# Altium PCB 28Pins_Project_V1I1_PCB.PcbDoc (continued)
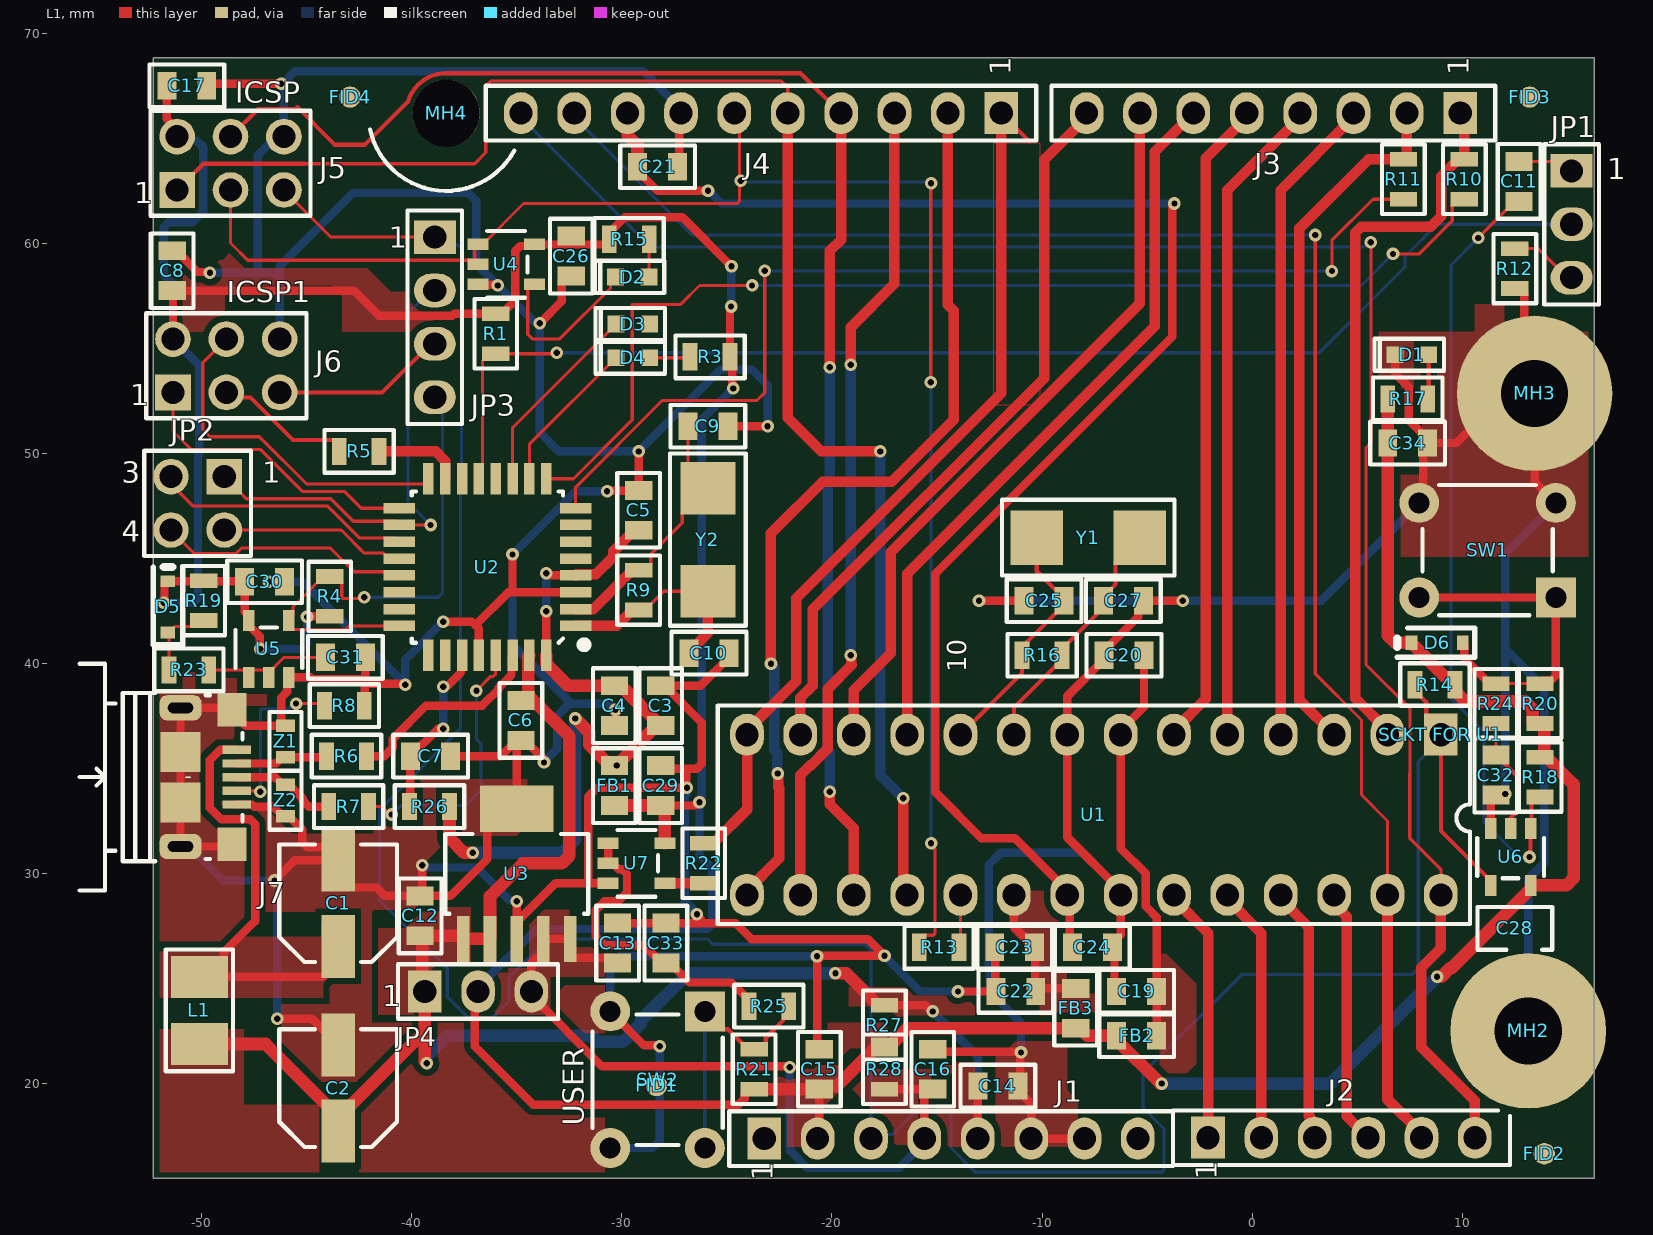
[diagram p0: L1 view]
## Nets (pads, with @x,y where several pads share a name; then routed paths per layer and width w, separated by ;. In a path a pad name is that pad's centre, name@x,y a point inside that pad or via, vN(x,y) a via of type N, cw(c..) or ccw(c..) an arc to the next point about the centre after c; other vN are vias at no path point)
16U2_16MHZ_XTAL1: C10.2 R9.1 U2.1 Y2.1 | length 10.4
  L1 w0.15: R9.1 -28.9,42.55 -28,43.45 Y2.1
  L1 w0.5: U2.1 -30.25,41.8 -29.5,42.55 R9.1 ; C10.2 -26.8,40.7 -26.6,40.9 -26.45,40.9 -25.9,41.45 Y2.1
16U2_16MHZ_XTAL2: C9.2 R9.2 U2.2 Y2.2 | length 12.6
  L1 w0.15: R9.2 -28.9,44.45 -28.625,44.725 -28.625,45.2 -27.125,46.7 -27.125,47.175 -25.95,48.35 Y2.2 -26.85,49.3 C9.2
  L1 w0.5: U2.2 -31.35,42.6 -29.5,44.45 R9.2
16U2_BUF_RESETN: C31.1 R23.2 U5.1 U5.2 | length 6.2
  L1 w0.15: R23.2 -47,39.7 U5.2@-46.8,39.5 ; U5.2 U5.2@-46.8,39.5 ; C31.1 -46.075,40.3 -46.8,39.575 U5.2@-46.8,39.5
16U2_HDR_RESETN: J6.5 JP3.3 | length 8.3
  L1 w0.2: J6.5 -41.412,52.908 -39.1,55.22 JP3.3
16U2_MISO: J6.1 U2.17 | length 14.1
  L1 w0.15: J6.1 -51.36,51.06 -50.5,50.2 -47.2,50.2 -45.2,48.2 -43.2,48.2 -42.4,47.4 U2.17
16U2_MOSI: J6.4 U2.16 | length 16.7
  L1 w0.15: J6.4 -49.945,54.323 -49.945,51.145 -49.6,50.8 -47.25,50.8 -45,48.55 -39.375,48.55 -39.2,48.725 U2.16
16U2_PB4: JP2.1 JP3.2 U2.18 | length 23.9
  L1 w0.15: JP2.1 JP2.1@-48.32,48.3 ; JP2.1@-48.17,48.15 -47.87,47.85 -43.85,47.85 -42.775,46.775 -40.775,46.775 U2.18 v1(-39.1,46.6)
  L1 w0.2: JP2.1@-48.919,48.901 -48.919,48.899 -48.32,48.3 JP2.1@-48.17,48.15
  L2 w0.15: v1(-39.1,46.6) -40.175,47.675 -40.175,56.685 -39.1,57.76 JP3.2
16U2_PB5: JP2.3 U2.19 | length 12.3
  L1 w0.15: JP2.3 -51.46,48.56 -50.4,47.5 -43.995,47.5 -42.47,45.975 -40.775,45.975 U2.19
16U2_PB6: JP2.2 U2.20 | length 8.9
  L1 w0.15: JP2.2 -43.36,46.36 -42.275,45.275 -41.375,45.275 -41.1,45 U2.20
16U2_PB7: JP2.4 U2.21 | length 12.2
  L1 w0.15: JP2.4 -50.335,45.235 -48.365,45.235 -48.1,45.5 -43.861,45.5 -42.736,44.375 -40.775,44.375 U2.21
  L1 w0.2: JP2.4@-51.459,46.361 JP2.4@-51.216,46.361
16U2_RESETN: JP3.4 R4.1 U2.24 U5.4 | length 24.5
  L1 w0.15: v1(-42.263,43.162) -42.325,43.1 -43.3,43.1 -43.325,43.125 -43.325,43.875 -43.6,44.15 R4.1 -44.2,44.15 -45.65,42.7 -45.65,42.25 U5.4 -45.85,41.825 -45.65,41.625 -43.136,41.625 -42.961,41.8 U2.24
  L2 w0.15: v1(-42.263,43.162) -38.738,43.162 -38.525,43.375 -38.525,52.305 JP3.4
16U2_RX_LED: D4.1 U2.10 | length 7.5
  L1 w0.15: U2.10 -34.4,50.435 D4.1
16U2_RXD: R11.1 U2.8 | length 50.3
  L1 w0.15: U2.8 -32.2,48.4 -28.075,52.525 -23.575,52.525 -23.2,52.9 v1(-23.2,58.7) ; v1(3.795,58.684) 3.795,60.145 5.75,62.1 R11.1
  L2 w0.15: v1(-23.2,58.7) -23.192,58.692 3.787,58.692 v1(3.795,58.684)
16U2_SCLK: J6.3 R5.2 | length 6.7
  L1 w0.2: J6.3 -48.584,52.672 -47.67,52.672 -45.648,50.65 -43.7,50.65 -43.45,50.4 R5.2
16U2_SCLK_R: R5.1 U2.15 | length 4.2
  L1 w0.5: R5.1 -38.864,50.1 -38.4,49.636 U2.15
16U2_TX_LED: D3.1 U2.11 | length 9.4
  L1 w0.15: U2.11 -35.2,51.235 D3.1
16U2_TXD: R10.1 U2.9 | length 52.9
  L1 w0.15: U2.9 -32.3,48.8 -29.5,51.6 -29.5,57.1 -27.2,57.1 -26.3,58 v1(-23.8,58) ; v1(6.7,59.5) 7.95,59.5 9.525,61.075 9.525,61.825 9.8,62.1 R10.1
  L2 w0.15: v1(-23.8,58) 5.2,58 v1(6.7,59.5)
16U2PROG_328P_RESETN: JP1.2 R1.1 U2.13 | length 60.5
  L1 w0.15: U2.13 -36.625,48.975 -36.625,54.425 -36.3,54.75 R1.1 -33.25,54.75 -33.2,54.7 v1(-33.1,54.8)
  L2 w0.15: v1(-33.1,54.8) 3.2,54.8 7.275,58.875 7.275,59.375 8.81,60.91 JP1.2
328P_16MHZ_XTAL1: C27.2 R16.1 U1.9 Y1.1 | length 11.9
  L1 w0.2: U1.9 -11.34,37.92 -9.41,39.85 -9.3,39.85 -9.05,40.1 R16.1 -9.05,40.7 -7.425,42.325 -7.425,42.65 C27.2 -7.075,43.2 -6.5,43.775 -6.5,44.85 Y1.1
328P_16MHZ_XTAL2: C25.2 R16.2 U1.10 Y1.2 | length 12
  L1 w0.2: U1.10 -10.95,39.55 R16.2 -10.7,40.65 -10.7,41.05 -8.95,42.8 C25.2 -8.95,43.2 -9.3,43.55 -9.4,43.55 -10.25,44.4 Y1.2
328P_AUTORESETN: C11.1 R18.1 U6.1 | length 37.5
  L1 w0.15: v1(10.754,60.262) 10.762,60.262 12.5,62 C11.1
  L1 w0.2: v2(13.2,30.8) 13.25,30.85 U6.1 13.3,32.2 13.3,33.35 R18.1@13.6,33.65
  L2 w0.15: v1(10.754,60.262) 9.465,58.974 9.465,38.324 11.032,36.756 11.032,32.468 12.7,30.8 v2(13.2,30.8)
328P_BUF_RESETN: C32.1 R24.2 U6.2 | length 5.6
  L1 w0.15: C32.1 R24.2
  L1 w0.2: C32.1 12.65,34.6 12.65,32.999 12.3,32.649 U6.2
328P_RESETN: J1.3 J5.5 JP3.1 R14.1 U1.1 U6.4 | length 139.6
  L1 w0.15: J5.5 -43.836,60.3 JP3.1
  L1 w0.2: R14.1 7.75,38.7 8.28,38.17 8.28,37.32 U1.1 8.98,32.045 11.35,29.675 U6.4
  L2 w0.15: JP3.1 -38.513,59.913 -37.763,59.913 -37.625,59.775 -37.625,48.368 -37.668,48.325 -37.668,36.918 -39.365,35.222 -41.531,33.056 -41.531,28.74 -38.305,25.514 -38.305,24.145 -37.285,23.125 -36.175,23.125 -35.375,23.925 -35.375,25.045 -33.52,26.9 -25.916,26.9 -25.664,26.649 -18.449,26.649 -18.14,26.34 J1.3 -17.935,17.605 -17.115,17.605 -16.045,18.675 -14.493,18.675 -14.33,18.512 -14.33,16.95 -13.18,15.8 -4.288,15.8 -4.2,15.888 -4.2,17.88 -5.2,18.88 -5.2,20.5 -0.5,25.2 7.612,25.2 7.905,25.493 7.905,35.345 8.98,36.42 U1.1
+3V3: C13.1 C16.1 J1.4 JP4.3 R28.1 U3.4 U3.5 | length 37.6
  L1 w0.4: C13.1 -30.45,26 -32.36,26 -32.46,26.1 U3.5 U3.4 -33.73,26.1 -33.83,26 -34.066,26 -34.3,25.766 JP4.3 -34.3,24.2 -30.934,20.834 -22.034,20.834 v1(-22,20.8) ; R28.1 C16.1 -15.35,19.75 -15.6,19.5 J1.4
  L2 w0.4: v1(-22,20.8) -22,16.823 -21.177,16 -16.8,16 -15.6,17.2 J1.4
+3V3_16U2_UCAP: C7.2 R26.1 U2.27 | length 8.5
  L1 w0.4: R26.1 -40.075,33.225 -40.075,35.575 C7.2 -38.75,36.9 v1(-38.5,36.9) ; v1(-38.5,38.9) -38.462,38.938 -38.296,38.938 -37.65,39.584 -37.65,40.35 U2.27
  L2 w0.4: v1(-38.5,36.9) v1(-38.5,38.9)
+5V: C2.1 C6.1 C12.1 C14.1 J1.5 JP4.1 L1.2 R27.2 U2.31 U3.1 U3.2 | length 77.5
  L1 w0.4: R27.2 -15.554,23.75 -15.254,23.45 v1(-15.2,23.45) ; J1.5 -13.055,17.405 -13.055,19.895 C14.1
  L1 w0.6: L1.2 -46.95,21.9 C2.1@-43.5,18.45 ; C2.1 C2.1@-43.5,18.45 ; v1(-39.284,20.987) -39.38,21.083 -39.38,22.5 ; C6.1@-34.5,38.35 -34.45,38.4 -34.45,40.35 U2.31 ; C6.1@-34.3,38.35 -32.5,36.55 -32.5,30.851 -32.851,30.5 -34.7,30.5 -36.27,28.93 U3.2 U3.1 -37.54,27.05 -39.38,27.05 -39.49,26.94 -39.49,24.51 JP4.1 -39.38,22.5 ; v1(-19.834,25.274) -19.324,25.274 -17.8,23.75 R27.2 ; C2.1@-43.5,18.45 -43,18.95 -42.93,18.95 -39.38,22.5
  L2 w0.4: v1(-15.2,23.45) -13.06,21.31 J1.5 J1.5@-13.055,17.405
  L2 w0.6: v1(-39.284,20.987) -39.284,21.316 -38.3,22.3 -31.451,22.3 -31.151,22 -29.949,22 -29.1,22.849 -29.1,23.007 -26.834,25.274 v1(-19.834,25.274)
+5V/3V3: C8.1 C15.1 C17.1 C26.1 C29.1 C30.1 C34.1 D5.1 D6.1 FB1.1 FB2.1 FB3.1 J1.2 J5.2 J6.2 JP4.2 R1.2 R3.2 R4.2 R14.2 R15.2 R17.2 R18.2 R19.2 R20.2 R21.2 R27.1 R28.2 U4.5 U5.5 U6.5 U7.5 | length 221.8
  L1 w0.4: v1(-51.8,42.9) -51.762,42.938 -51.762,43.757 -51.743,43.776 -51.743,43.84 -51.664,43.919 D5.1 -47.969,43.919 C30.1 -47.95,42.475 -47.75,42.275 U5.5 -47.75,41.825 -47.238,41.313 -47.238,40.738 v1(-47.2,40.7) ; C17.1 -51.65,65.926 -51.16,65.436 J5.2 ; J6.2 -51.36,57.71 C8.1 -42.75,57.75 -41.56,56.56 -38.069,56.56 -37.979,56.65 -35.7,56.65 R1.2@-35.55,56.8 ; v1(-44.981,42.225) -44.956,42.25 R4.2 ; JP4.2 -37,24.24 -37,21.8 -34.218,19.018 -24.432,19.018 -24.15,19.3 -24.15,19.6 -24,19.75 R21.2 ; R1.2@-35.55,56.801 -35.072,57.279 -35.072,59.641 -34.838,59.875 -34.225,59.875 U4.5 R15.2@-30.75,59.95 ; R15.2 -30.6,60.5 -29.85,61.25 -27.121,61.25 v1(-24.78,58.909) ; C29.1 -28.1,33.25 -26.504,33.25 -26.354,33.4 v1(-26.3,33.4) ; v1(-24.8,57) -24.85,56.95 R3.2 -24.738,54.488 -24.738,53.138 v1(-24.7,53.1) ; J1.2 -20.6,17.48 C15.1
  L1 w0.6: FB1.1 C29.1 ; C29.1@-28.1,33.25 -27.95,33.1 U7.5 ; R21.2 C15.1 -20.45,19.9 -19.75,19.9 -17.8,21.85 R27.1 -17.2,21.85 -16.4,22.65 FB3.1 -8.2,22.65 -7.85,22.3 FB2.1 -6.45,22.1 -4.367,20.017 v1(-4.31,20.017) ; R17.2 C34.1 6.45,41.351 6.801,41 D6.1 7.581,40.978 9.208,39.35 9.6,39.35 9.65,39.3 9.65,38.7 10.15,38.2 12.999,38.2 13.35,37.849 13.35,37.2 13.4,37.15 R20.2 13.85,37.15 13.9,37.1 13.9,35.6 R18.2@13.85,35.55 ; v1(8.8,25.1) 9,25.1 9.4,25.5 9.475,25.5 13.25,29.275 U6.5 14.949,29.45 15.3,29.801 15.3,34.25 14,35.55 R18.2@13.85,35.55 ; R18.2 R18.2@13.85,35.55
  L2 w0.4: v1(-51.8,42.9) -50.404,42.9 -50.17,43.134 -50.17,49.916 -50.11,49.976 -50.11,54.198 J6.2 -51.36,58.063 -51.8,58.503 -51.8,60.766 -51.566,61 -50.438,61 -49.91,61.528 -49.91,64.576 -50.234,64.9 -50.976,64.9 J5.2 ; v1(-47.2,40.7) -45.215,40.7 -44.981,40.934 v1(-44.981,42.225) ; JP4.2 -36.84,24.6 -34.065,27.375 -25.934,27.375 -25.7,27.609 -25.7,30.278 -26.3,30.878 -26.3,33.454 -26.2,33.554 -26.2,51.6 v1(-24.7,53.1) ; v1(-24.8,57) -24.8,58.89 v1(-24.78,58.909)
  L2 w0.6: v1(-4.31,20.017) 3.717,20.017 v1(8.8,25.1)
+5V/3V3_16U2: C3.1 C4.1 C5.1 FB1.2 R26.2 U2.4 U2.32 | length 36
  L1 w0.4: U2.32 v1(-33.6,42.5) ; v1(-33.6,44.3) -33.546,44.3 -33.446,44.2 U2.4
  L1 w0.508: U2.4 -32.15,44.25 -31.243,44.25 -30.399,45.094 -30.399,45.351 -29.4,46.35 C5.1
  L1 w0.6: R26.2 -38.2,31.7 -37.5,31 v1(-37.1,31) ; U2.32 -33.6,40 -32.55,38.95 C4.1 ; v1(-32.209,37.391) -31.549,36.73 -31.549,36.149 -30.7,35.3 -30.5,35.3 FB1.2 ; FB1.2@-30.25,35.15 -28.35,37.05 C3.1 C4.1@-30.05,38.95 ; FB1.2@-30.245,35.155 v2(-30.24,35.15)
  L2 w0.4: v1(-33.6,42.5) v1(-33.6,44.3)
  L2 w0.6: v1(-37.1,31) -32.851,31 -32.209,31.642 v1(-32.209,37.391) ; v2@-30.289,35.1 v2(-30.24,35.15)
+5V/3V3_328P_AVCC: C22.1 C23.1 FB3.2 U1.20 | length 7.1
  L1 w0.4: U1.20 -11.34,27.49 -10.8,26.95 -10.6,26.95 -10.35,26.7 C23.1 -10.325,26.475 -10.325,24.425 C22.1 -10.15,24.55 FB3.2
+5V/3V3_328P_VCC: C19.1 C20.1 FB2.2 U1.7 | length 19.3
  L1 w0.4: C20.1 -5.15,37.93 -6.26,36.82 U1.7 -6.26,31.213 -5.06,30.013 -5.06,28.443 -4.55,27.933 C19.1 FB2.2
+5V_USB: C1.1 J7.1 L1.1 | length 22.1
  L1 w0.4: L1.1 L1.1@-49.75,25.1 ; J7.1 -49.116,35.9 -49.6,35.416 -49.6,33.134 -49.066,32.6 -47.684,32.6 -47.45,32.366 -47.45,27.75 -48.95,26.25 -48.95,25.9 L1.1@-49.75,25.1 ; C1.1 -43.5,25.85 -44.25,25.1 L1.1@-49.75,25.1
+AREF: C21.1 C24.1 J4.8 U1.21 | length 73
  L1 w0.4: C21.1 -29.25,63.45 -28.3,62.5 v1(-25.9,62.5) ; C24.1 -8.675,26.625 -8.675,28.875 U1.21 -8.8,29.2 -11.3,31.7 -12.9,31.7 -15.08,33.88 -15.08,44.286 -3.8,55.566 -3.8,61.9 v1(-3.7,61.9)
  L1 w0.6: J4.8 -29.724,65.14 -29.25,64.666 C21.1
  L2 w0.4: v1(-25.9,62.5) -25.846,62.5 -25.246,61.9 v1(-3.7,61.9)
AD0: J2.1 U1.23 | length 12.2
  L1 w0.5: U1.23 -3.72,28.8 -2.1,27.18 J2.1
AD1: J2.2 U1.24 | length 12.2
  L1 w0.5: U1.24 -1.18,28.8 0.44,27.18 J2.2
AD2: J2.3 U1.25 | length 12.2
  L1 w0.5: U1.25 1.36,28.8 2.7,27.46 2.7,18.483 2.77,18.413 2.77,17.65 J2.3
AD3: J2.4 U1.26 | length 12.2
  L1 w0.5: U1.26 3.9,28.557 4.5,27.957 4.5,18.46 J2.4
AD4/SDA: J2.5 J4.9 U1.27 | length 82.8
  L1 w0.15: v1(3,60.4) 3,39.518 5.2,37.318 5.2,33.755 6.44,32.515 U1.27
  L1 w0.5: U1.27 6.44,19.26 8.06,17.64 J2.5
  L2 w0.15: J4.9 -32.264,66 -26.664,60.4 v1(3,60.4)
AD5/SCL: J2.6 J4.10 U1.28 | length 88.9
  L1 w0.15: v1(5.65,60.05) 5.65,50.514 5.425,50.289 5.425,39.936 7.515,37.846 7.515,34.781 7.5,34.766 7.5,31.7 8.98,30.22 U1.28
  L1 w0.5: U1.28 8.98,26.456 8.05,25.526 8.05,21.741 10.6,19.191 J2.6
  L2 w0.15: J4.10 -34.804,66 -28.629,59.825 5.303,59.825 5.528,60.05 v1(5.65,60.05)
BUTTON_RESETN: D6.2 R20.1 R24.1 SW1.1 SW1.2 | length 16
  L1 w0.15: R24.1 R20.1
  L1 w0.4: SW1.2@7.65,43.15 SW1.1@14.15,43.15 ; D6.2 10.099,40.921 10.099,40.251 11.25,39.1 11.4,39.1 11.45,39.05 R24.1 ; R20.1 13.85,39.2 14.216,39.2 14.45,39.434 SW1.1
CON_USB_N: J7.2 R6.1 Z1.2 | length 5.3
  L1 w0.2: -44.9,35.6 R6.1
  L1 w0.4: J7.2 -46.447,35.25 -46.15,35.547 Z1.2 -44.103,35.547 R6.1
CON_USB_P: J7.3 R7.1 Z2.2 | length 5
  L1 w0.4: J7.3 -46.503,34.6 -46.15,34.247 Z2.2 -45.85,34.247 -45.184,33.581 -45.184,33.484 -44.9,33.2 R7.1
GND: C1.2 C2.2 C3.2 C4.2 C5.2 C6.2 C7.1 C8.2 C9.1 C10.1 C12.2 C13.2 C14.2 C15.2 C16.2 C17.2 C19.2 C20.2 C21.2 C22.2 C23.2 C24.2 C25.1 C26.2 C27.1 C29.2 C30.2 C31.2 C32.2 C33.2 C34.2 D1.1 J1.6 J1.7 J4.7 J5.6 J6.6 J7.5 J7.6 J7.7 J7.8 J7.9 J7.10 J7.11 MH2.1 MH3.1 R8.2 R12.2 SW1.3 SW1.4 SW2.3 SW2.4 U1.8 U1.22 U2.3 U2.28 U3.3 U3.6 U4.3 U5.3 U6.3 U7.3 Z1.1 Z2.1 | length 439.1
  L1 w0.4: C8.2 -51.2,59.65 -50.188,58.638 -49.638,58.638 v1(-49.6,58.6) ; C17.2 -49.65,67.6 v1(-46.2,67.6) ; J7.7 -48.65,31.3 J7.9 J7.11 J7.10 J7.8 -48.65,37.9 J7.6 -48.55,37.85 -48.3,38.1 -48.3,37.45 -47.897,37.047 -46.25,37.047 -46.25,37.097 -46.2,37.147 -46.2,38.39 -45.925,38.665 -45.925,39.275 U5.3 -44.816,39.35 -44.716,39.25 -42.275,39.25 ; J7.5 -47.59,33.3 -47.49,33.2 -46.603,33.2 -46.15,32.747 Z2.1 -45.85,32.747 -45.2,32.097 -45.2,31.5 -44.966,31.266 -44.1,31.266 -43.5,30.666 C1.2 ; v1(-46.8,43.9) C30.2 ; v1(-46.526,29.682) -45.558,30.65 C1.2 ; v1(-46.4,23.1) -44.75,23.1 C2.2 ; Z1.1@-46.1,37.047 Z1.1 ; R8.2 -42.225,38.025 -42.225,39.076 ; C31.2 -42.2,39.076 -42.162,39.038 -40.338,39.038 v1(-40.3,39) ; v1(-39.5,30.4) -39.5,29.05 C12.2 ; v1(-38.5,42) -37.134,42 -36.967,41.833 ; C7.1 -35.75,35.6 -35,36.35 C6.2 ; U4.3 -36.825,58.025 -35.925,58.025 v1(-35.9,58) ; U2.28 -36.8,41.666 -36.967,41.833 ; v1(-35.2,45.2) -35.2,43.4 ; U3.3 U3.3@-35,27.7 ; v1(-35,28.7) U3.3@-35,27.7 ; v1(-33.9,56.2) -32.85,57.25 -32.85,58.2 -32.6,58.45 C26.2 ; v1(-33.7,35.3) -33.738,35.338 -33.738,35.488 -34.6,36.35 C6.2 ; U2.3 -35.2,43.4 ; v1(-30.7,48.2) -30.675,48.225 -29.225,48.225 C5.2 v1(-29.2,50.1) ; U7.3 -31.6,29.55 ; SW2.3 -28.938,21.838 -28.238,21.838 v1(-28.2,21.8) ; C4.2 -30.3,37.1 v1(-30.3,37.8) ; C13.2 C33.2 -26.244,27.65 ; C29.2 -28,35 -27.134,35 ; C3.2 C3.2@-27.95,38.95 ; C21.2 -27.267,63.733 -27.267,66.117 J4.7 ; v1(-26.425,28.075) -26.425,28.021 -26.244,27.839 -26.244,27.65 ; C9.1 -24.944,51.294 v1(-23.062,51.294) ; C10.1 -24.9,40.3 -26.25,38.95 C3.2@-27.95,38.95 ; v1(-20.711,26.074) -20.7,26.062 -20.7,21.75 C15.2 ; v1@-20.602,25.963 -20.466,26.1 v1(-17.5,26.1) -18.294,26.894 -23.831,26.894 -24.587,27.65 -26.244,27.65 ; C16.2 -15.088,21.538 -11.038,21.538 v1(-11,21.5) -11.038,21.462 -11.038,20.012 C14.2 -11.15,19.7 -10.52,19.07 J1.6 J1.7 ; v1(-14,24.4) C22.2 -12.225,24.425 -12.225,26.475 C23.2 ; v1(-13,43) C25.1 ; C19.2 -6.55,24.5 -6.55,26.4 C24.2 -6.65,26.7 -6.26,27.09 U1.22 -6.26,29.2 -8.8,31.74 U1.8 -8.8,38.45 -7.05,40.2 C20.2 -7.05,40.6 -5.425,42.225 -5.425,42.75 C27.1 v1(-3.3,43) ; D1.1 6.8,53.816 7.45,53.166 7.45,51.6 8.35,50.7 C34.2 ; SW1.4 8.15,47.85 8.15,50.3 C34.2 ; U6.3 11.35,33.5 11.649,33.8 v1(12.05,33.8) ; R12.2 12.8,57.85 12.95,57.7 12.95,53.35 MH3.1 ; SW1.3 13.44,48.66 MH3.1 ; C1.2 -43.5,29.95 -42.9,29.35 -41.675,29.35 -41.275,28.95 C12.2 ; C12.2 -38.16,28.95 -36.4,30.71 -36.4,32.2 -35.5,33.1 U3.6 -35,36.15 C6.2 ; -36.967,41.833 -35.4,43.4 -35.2,43.4 ; U3.3@-35,27.7 -33.15,29.55 -31.6,29.55 ; -31.6,29.55 -31.6,33.666 -31.166,34.1 v1(-26.9,34.1) -26.938,34.138 -26.938,34.804 -27.134,35 ; C3.2@-27.95,38.95 -26.2,37.2 -26.2,35.234 -26.434,35 -27.134,35 ; C34.2 9.719,50.5 12.079,52.86 MH3.1
  L2 w0.4: J7.9 -50.6,31.3 -48.982,29.682 v1(-46.526,29.682) -46.4,29.555 v1(-46.4,23.1) ; v1(-49.6,58.6) -47.3,58.6 ; v1(-46.8,43.9) -45.2,43.9 v1(-40.3,39) -40.3,40.2 v1(-38.5,42) ; J6.6 -46.28,58.366 ; v1(-39.5,30.4) -39.446,30.4 -39.346,30.3 -36.894,30.3 -35.333,28.738 ; v1(-33.7,35.3) -33.7,35.334 -33.08,35.953 -33.08,37.509 -32.499,38.091 ; v1(-30.7,48.2) -32.2,48.2 v1(-35.2,45.2) -35.2,40.901 -32.499,38.201 -32.499,38.091 ; SW2.4 -28.534,16.95 -28.2,17.284 v1(-28.2,21.8) ; SW2.3 -30.55,25.65 -30.128,26.072 -20.713,26.072 v1(-20.711,26.074) ; v1(-30.3,37.8) -30.354,37.8 -30.645,38.091 -32.499,38.091 ; J4.7 -27.184,66.4 -28.984,68.2 -45.546,68.2 -46.146,67.6 v1(-46.2,67.6) -46.08,67.48 J5.6 -46.432,65.084 -47.33,64.186 -47.33,58.63 -47.3,58.6 ; v1(-26.9,34.1) -26.938,34.062 -26.938,33.752 -27,33.69 -27,28.704 -26.425,28.129 v1(-26.425,28.075) ; v1(-23.062,51.294) -23.062,53.262 -23.8,54 -25.3,54 v1(-29.2,50.1) -33,50.1 -33.9,51 v1(-33.9,56.2) -33.938,56.238 -34.138,56.238 v1(-35.9,58) -36.925,59.025 -36.925,62.025 -37.3,62.4 -42.8,62.4 -46.28,58.92 -46.28,58.366 ; v1(-17.5,26.1) -17.4,26 -15.8,24.4 v1(-14,24.4) -12.5,24.4 ; v1(-13,43) v1(-3.3,43) 3.3,43 SW1.4 ; v1(-11,21.5) -11,22.9 -12.5,24.4 ; U1.22 -6.26,29.2 -8.06,31 -11.966,31 -12.54,30.426 -12.54,25.646 -12.5,25.606 -12.5,24.4 ; v1(12.05,33.8) 12.05,40.7 ; MH2.1 13.14,29.75 13.9,30.51 13.9,38.85 12.05,40.7 ; SW1.3 12.05,45.25 12.05,40.7 ; -47.3,58.6 -46.514,58.6 -46.28,58.366
IO0: J3.1 R10.2 U1.2 | length 34.6
  L1 w0.5: U1.2 6.44,36.82 4.9,38.36 4.9,60.507 5.193,60.8 8.507,60.8 8.993,61.286 8.993,63.193 9.8,64 R10.2 10.1,66 J3.1
IO1: J3.2 R11.2 U1.3 | length 33.4
  L1 w0.5: U1.3 2.25,38.27 2.25,60.711 5.539,64 7.26,64 7.36,64.1 J3.2
IO2: J3.3 U1.4 | length 31
  L1 w0.5: U1.4 1.36,62.54 4.82,66 J3.3
IO3: J3.4 U1.5 | length 35.1
  L1 w0.2: -0.62,63.3 J3.4
  L1 w0.5: U1.5 -1.18,62.54 2.28,66 J3.4
IO4: J3.5 U1.6 | length 31
  L1 w0.5: U1.6 -3.72,36.82 -2.2,38.34 -2.2,64.06 -0.26,66 J3.5
IO5: J3.6 U1.11 | length 35.2
  L1 w0.5: U1.11 -16.42,44.28 -4.64,56.06 -4.64,64.36 J3.6
IO6: J3.7 U1.12 | length 35.2
  L1 w0.5: U1.12 -18.96,38.74 -17.2,40.5 -17.2,45.3 -5.34,57.16 J3.7
IO7: J3.8 U1.13 | length 35.2
  L1 w0.5: U1.13 -21.5,38.37 -20.91,38.96 -20.91,42.58 -9.9,53.59 -9.9,63.98 -7.88,66 J3.8
IO8: J4.1 R22.1 U1.14 | length 42.8
  L1 w0.2: J4.1 -10.6,64.856
  L1 w0.5: R22.1 -26,31.55 -25.55,31.55 -24.04,33.06 -24.04,36.82 -21.7,39.16 -21.7,43.11 -11.944,52.866 J4.1
IO9: J4.2 U1.15 | length 43.7
  L1 w0.5: U1.15 -24.04,29.2 -22.5,30.74 -22.5,34.1 -22.552,34.152 -22.552,34.752 v1(-22.571,34.771) ; v1(-22.9,40) -22.9,46.2 -20.443,48.657 -17.143,48.657 -14.2,51.6 -14.2,56.789 -14.484,57.073 J4.2
  L2 w0.5: v1(-22.9,40) -22.9,39.973 -22.75,39.823 -22.75,35.902 -22.59,35.742 -22.59,34.79 v1(-22.571,34.771)
MISO: J4.5 J5.1 U1.18 | length 75.6
  L1 w0.15: -45.094,63.794 -37.006,63.794 -36.474,64.326 -36.474,67.5 -36.249,67.725 -22.4,67.725 -22.104,67.429 J4.5
  L1 w0.2: J5.1 -49.91,63.794 -45.094,63.794
  L1 w0.5: J4.5 -22.104,51.704 -20.5,50.1 v1(-17.7,50.1) ; v1(-16.6,33.6) -16.6,29.18 U1.18
  L2 w0.5: v1(-17.7,50.1) -17.7,34.7 v1(-16.6,33.6)
MOSI: J4.4 J5.4 U1.17 | length 70.5
  L1 w0.2: J5.4 -47.32,66.384 -45.542,66.384 ; -45.442,66.484 -43.716,64.759 -43.658,64.7 -42.225,64.7 -40.18,66.745 cw(c-38.36,66.2) -38.36,68.1 -21.5,68.1 -19.6,66.2 J4.4
  L1 w0.5: v1(-20.1,33.9) -20.1,33.3 -18.96,32.16 U1.17 ; v1(-20.1,54.1) -20.1,59.647 -19.564,60.183 J4.4
  L2 w0.5: v1(-20.1,33.9) -20.1,35.792 -20.21,35.902 -20.21,48.59 -20.1,48.7 v1(-20.1,54.1)
NetC11_2: C11.2 JP1.1 | length 2.7
  L1 w0.15: C11.2 14.75,63.9 JP1.1
NetD1_2: D1.2 R17.1 | length 1.9
  L1 w0.2: D1.2 8.4,52.85 R17.1@8.45,52.8
NetD2_1: D2.1 U4.4 | length 8.2
  L1 w0.15: U4.4 -34.275,58.05 -34.475,57.85 -34.475,55.675 -34.255,55.455 -32.945,55.455 -30.537,57.863 -30.537,58.163 D2.1
NetD2_2: D2.2 R15.1 | length 1.8
  L1 w0.15: D2.2 R15.1
NetD3_2: D3.2
NetD4_2: D4.2 R3.1 | length 1.9
  L1 w0.15: D4.2 -26.788,54.562 R3.1
NetD5_2: D5.2 R19.1 R23.1 | length 3.7
  L1 w0.15: R23.1 -51.55,41.467 -51.242,41.775 -50.175,41.775 R19.1
NetJ7_4: J7.4 R8.1 | length 8.2
  L1 w0.15: J7.4 -47.25,33.95 v1(-47.2,33.9) ; v1(-45.5,38.1) -44.25,38.1 R8.1
  L2 w0.15: v1(-47.2,33.9) -47.2,37.759 -47.112,37.847 -45.875,37.847 -45.622,38.1 v1(-45.5,38.1)
NetJP1_3: JP1.3 R12.1 | length 3.6
  L1 w0.15: R12.1 13.62,59.75 15,58.37 JP1.3
  L1 w0.2: JP1.3@15.4,58.57 JP1.3@15.6,58.37
NetR22_2: R22.2 U7.4 | length 1.9
  L1 w0.5: U7.4 R22.2
SCK: J4.6 J5.3 R13.2 U4.1 U4.2 | length 79.6
  L1 w0.15: J5.3 -48.62,60.02 -47.8,59.2 -37.05,59.2 U4.2@-37,59.15 ; U4.2 U4.2@-37,59.15 ; J4.6 -24.4,65.956 -24.4,62 -24.5,61.9 -34.675,61.9 -36.625,59.95 U4.1 -37,59.8 U4.2@-37,59.15 ; R13.2 -15.85,26.8 -15.575,27.075 -15.175,27.075 -15.087,27.163 -15.087,31.141 -15.28,31.335 v1(-15.28,31.454) ; v1(-15.3,53.4) -15.3,62.9 -15.281,62.881 v1(-15.281,62.858)
  L1 w0.2: J4.6 J4.6@-24.4,66.2
  L2 w0.15: v1(-24.346,62.988) -24.281,62.923 -15.345,62.923 v1(-15.281,62.858) ; v1(-15.3,53.4) -15.29,53.39 -15.29,31.464 v1(-15.28,31.454)
SCK_R: R13.1 U1.19 | length 2.5
  L1 w0.15: R13.1 -13.88,26.57 U1.19
SS: J4.3 U1.16 | length 39.1
  L1 w0.5: U1.16 -21.5,34.7 -21.03,35.17 -20.982,35.17 -20.21,35.942 -20.21,38.79 -19.057,39.943 -19.081,39.967 -19.081,40.381 v1(-19.1,40.4) ; v1(-19.1,54.225) -19.1,56 -17.024,58.076 J4.3
  L2 w0.5: v1(-19.1,40.4) v1(-19.1,54.225)
USB_N: R6.2 U2.30 | length 9.7
  L1 w0.4: R6.2 -41.3,35.6 -40.9,36 -40.9,36.416 -39.316,38 -36.645,38 -35.85,38.795 -35.85,38.866 -35.25,39.466 -35.25,40.35 U2.30
USB_P: R7.2 U2.29 | length 12.9
  L1 w0.15: R7.2 -41.422,33.2 -41.046,32.824 v1(-40.95,32.824) ; v1(-36.917,38.717) -36.24,39.395 -36.111,39.395 -36.003,39.503 -36.003,40.397 U2.29
  L2 w0.15: v1(-40.95,32.824) -40.941,32.824 -40.521,33.244 -37.456,33.244 -36.7,34 -36.7,36.189 -36.917,36.407 v1(-36.917,38.717)
USER_BUTTON: R21.1 R25.1 SW2.1 SW2.2 | length 12.5
  L1 w0.2: SW2.1 -25.2,22.6 -24.95,22.6 -24,21.65 R21.1 -23.4,21.65 -23.15,21.9 -23.15,22.2 -22.3,23.05 -22.3,23.45 R25.1
  L2 w0.15: SW2.2 SW2.1
USER_BUTTON_BUF: C33.1 R25.2 U7.1 U7.2 | length 14.9
  L1 w0.4: U7.1 U7.2 -30.575,30.425 -30.35,30.425 -30.15,30.225 -29.984,30.225 -29.75,29.991 -29.75,29.109 -30.172,28.687 -30.828,28.687 -31.25,28.266 -31.25,27.034 -30.816,26.6 -28.95,26.6 -28.1,25.75 -27.7,25.75 -26.775,24.825 -24.775,24.825 -23.95,24 R25.2
pads on no net: FID1.1 FID2.1 FID3.1 FID4.1 J1.1 J1.8 MH4.1 U2.5 U2.6 U2.7 U2.12 U2.14 U2.22 U2.23 U2.25 U2.26

## Polygon pours and split planes (outlines as drawn)
+5V on L2 "L2-No Net" (solid, remove dead copper, pour order 3): -12.7,19.1 -12.7,15.8 -52,15.8 -52,20.3 -52,21.2 -45.1,21.2 -41.1,25.2 -41,25.3 -40.5,25.3 -39.9,25.3 -39.9,23.8 -39.9,23 -33.5,23 -30.5,20 -27.3,20 -26.06,20 -25.4,19.34 -25.4,16.74 -17.36,16.74 -15.4,16.74 -15.4,19.1
+3V3 on L2 "L2-No Net" (solid, remove dead copper, pour order 4): -36.4,23.3 -36.4,25.3 -35.5,26.2 -30.4,26.2 -28.9,24.7 -28.9,22.6 -25.1,22.6 -23.9,21.4 -23.6,21.1 -22.1,21.1 -18,21.1 -16.5,19.6 -15.9,19 -15.9,17.1 -17.6,17.1 -17.6,18.2 -17.6,18.3 -18.5,19.2 -18.64,19.34 -24.94,19.34 -25.6,20 -25.9,20.3 -29.2,20.3 -30.3,20.3 -33.3,23.3
+5V/3V3 on L2 "L2-No Net" (solid, remove dead copper, pour order 5): -52,21.5 -45.25,21.5 -44.55,22.2 -41.15,25.6 -39.9,25.6 -39.4,25.6 -39.4,23.3 -36.9,23.3 -36.9,24.7 -36.9,25.5 -36.4,26 -35.9,26.5 -30.2,26.5 -29.3,25.6 -28.9,25.2 -26.3,25.2 -26.3,23 -24.9,23 -24.2,22.3 -23.3,21.4 -22.616,21.4 -17.8,21.4 -16.3,19.9 -15.8,19.4 -12.4,19.4 -12.4,15.8 9.5,15.8 9.5,24.1 6.4,24.1 2.9,24.1 0.4,21.6 -11.016,21.6 -11.216,21.8 -15.1,21.8 -17.1,23.8 -21.8,23.8 -26.3,28.3 -36.9,28.3 -36.9,29.4 -43.2,29.4 -43.2,26.1 -45.2,26.1 -45.2,29.2 -45.6,29.6 -45.7,29.7 -45.7,30.8 -45.7,31.8 -46.3,32.4 -46.7,32.8 -46.7,34 -46.7,35.1 -47.1,35.5 -47.1,66.7 -52,66.7
+5V_USB on L2 "L2-No Net" (solid, remove dead copper, pour order 6): -44.9,26.4 -43.5,26.4 -43.5,33.3 -44.6,33.3 -44.6,33.6 -44.6,37.3 -45.1,37.3 -45.1,38.697 -46.797,38.697 -46.801,35.701 -46.4,35.3 -46.4,33 -45.3,31.9 -45.3,29.8 -44.9,29.4
GND on L2 "L2-No Net" (solid, remove dead copper, pour order 8): -52,68.5 -52,67 -46.8,67 -46.8,65.1 -46.8,39 -45.1,39 -44.8,39 -44.8,37.6 -44.3,37.6 -44.3,33.3 -44.3,33.6 -43.2,33.6 -43.2,30.8 -43.2,29.7 -36.6,29.7 -36.6,28.6 -26.1,28.6 -25.1,27.6 -21.6,24.1 -20.1,24.1 -16.9,24.1 -14.9,22.1 -11.084,22.1 -10.884,21.9 -10.4,21.9 0.14,21.9 2.64,24.4 9.8,24.4 9.8,15.8 16,15.8 16,28.8 14.8,28.8 10.9,28.8 10.9,26.8 6.1,26.8 6.1,30.3 9.2,30.3 10.8,31.9 10.9,32 10.9,33.8 10.9,34.3 9.5,34.3 9,34.3 9,32.9 6.5,32.9 5.2,34.2 3.5,34.2 3.5,48.6 4.4,49.5 4.6,49.7 4.6,55.6 3.6,55.6 1.8,53.8 -28.7,53.8 -30.4,55.5 -30.6,55.5 -31.5,55.5 -31.5,59.1 -33.3,59.1 -33.4,59 -33.4,53.3 -40.1,53.3 -40.1,55.2 -41.5,55.2 -41.5,61.9 -45.5,61.9 -45.5,63.5 -42.8,63.5 -41.5,63.5 -41.5,68.5
+5V/3V3 on L2 "L2-No Net" (solid, remove dead copper, pour order 7): -41.2,59 -35.8,59 -35.8,61.2 -31,61.2 -29.1,59.3 -28.8,59 -27.8,58 -24.7,58 -20.8,58 -20.8,55.6 -28,55.6 -29.2,56.8 -31.1,56.8 -31.1,59.4 -33.7,59.4 -33.7,53.6 -39.8,53.6 -39.8,55.5 -39.981,55.5 -41.2,55.5
+5V/3V3_328P_VCC on L2 "L2-No Net" (solid, remove dead copper, pour order 2): -7,30.8 -5.3,30.8 -4.8,30.3 -4.4,29.9 -4.4,25.6 -1.5,25.6 -1.5,31.7 -7,31.7
GND on L2 "L2-No Net" (solid, remove dead copper, pour order 19): 16,68.5 -26.6,68.5 -26.6,64 -25.8,63.2 -23.7,63.2 11,63.2 16,63.2
GND on L1 "L2-No Net" (solid, remove dead copper, pour order 17): 3.7,55.8 10.6,55.8 10.6,57.1 12,57.1 12,55.8 16,55.8 16,54.5 16,45.1 7,45.1 6.9,45.1 6.3,45.7 6.3,46.4 6.3,46.5 6.8,47 6.8,48.2 6.8,49 8.1,49 8.1,53.1 6,53.1 4.962,53.1 3.7,53.1
GND on L1 "L2-No Net" (solid, remove dead copper, pour order 21): -10.1,64.8 -10.1,52.3 -11.8,52.3 -12.3,52.3 -12.3,53.8 -12.3,64.8 -10.1,64.8
+3V3 on L1 "L2-No Net" (solid, remove dead copper, pour order 23): -36.4,25.3 -35.4,25.3 -35.4,28.3 -32.5,28.3 -32.5,26.5 -30.8,26.5 -30.8,25.1 -33.4,25.1 -33.4,23.3 -36.4,23.3
+3V3 on L1 "L2-No Net" (solid, remove dead copper, pour order 25): -19.1,20.7 -15.3,20.7 -15.3,19.8 -15.9,19.8 -15.9,17.1 -17.6,17.1 -17.6,18.3 -19.1,19.8
+5V on L1 "L2-No Net" (solid, remove dead copper, pour order 27): -52,15.8 -44.4,15.8 -44.4,19 -48,19 -48,22.6 -52,22.6
+5V on L1 "L2-No Net" (solid, remove dead copper, pour order 29): -41.6,27.4 -41.6,23.3 -39.9,23.3 -39.9,24.6 -38.8,25.7 -38.7,25.8 -37.2,25.8 -37.2,28.4 -39.3,28.4 -40.2,27.5 -40.3,27.4 -41.6,27.4
+5V on L1 "L2-No Net" (solid, remove dead copper, pour order 33): -15,17 -15,19.2 -15,19.4 -14.9,19.5 -14.8,19.6 -14.8,20 -14.8,21.5 -14.5,21.8 -14.2,22.1 -14.2,22.5 -14.2,22.7 -14.5,23 -14.6,23.1 -15.3,23.1 -16.8,23.1 -17.2,23.5 -17.4,23.7 -18.1,23.7 -19.2,23.7 -19.2,24.6 -16.5,24.6 -16.1,24.2 -15.2,24.2 -13.7,24.2 -13.2,23.7 -13.2,21.8 -13.2,19.8 -13,19.6 -12.9,19.5 -12.9,19.34 -12.9,17 -15,17
+5V/3V3 on L1 "L2-No Net" (solid, remove dead copper, pour order 35): -22.6,17 -22.616,17.016 -22.616,20.7 -20.884,20.7 -20.584,21 -20.584,21.6 -20.584,22.9 -17.5,22.9 -17.384,22.9 -17.384,21.7 -19.116,21.7 -19.416,21.4 -19.6,21.216 -19.6,20 -19.6,19.7 -20.5,18.8 -20.5,17.8 -20.5,17 -22.6,17
+5V/3V3 on L1 "L2-No Net" (solid, remove dead copper, pour order 37): -50.9,55.8 -49,55.8 -48.9,55.8 -48.9,57 -48.9,57.478 -48.5,57.878 -48.378,58 -47.2,58 -43.822,58 -43.7,57.878 -43.3,57.478 -43.3,56.7 -43.3,55.8 -39,55.8 -39,57.7 -41,57.7 -42.2,58.9 -42.9,59.6 -45.2,59.6 -48.6,59.6 -48.8,59.4 -49,59.2 -49.3,59.2 -50.9,59.2 -50.9,55.8
+5V/3V3_328P_AVCC on L1 "L2-No Net" (solid, remove dead copper, pour order 41): -9.2,22.9 -9.2,23.1 -7,23.1 -7,24.3 -8.822,24.3 -8.822,26.622 -9.2,27 -9.2,28.1 -9.2,29.2 -10.8,29.2 -11.5,29.2 -11.5,27.3 -10.8,26.6 -10.1,25.9 -10.1,22.9
+5V/3V3_328P_VCC on L1 "L2-No Net" (solid, remove dead copper, pour order 43): -4.4,20.5 -4.4,24 -4.3,24.1 -4.2,24.2 -4.2,24.6 -4.2,25 -4.5,25.3 -4.5,26.1 -4.5,26.2 -4.2,26.2 -4.1,26.2 -2.5,24.6 -2.5,22.9 -2.5,21.122 -3.122,20.5
+5V_USB on L1 "L2-No Net" (solid, remove dead copper, pour order 45): -52,24.1 -44.2,24.1 -44.2,24.8 -43.5,25.5 -43.5,27.8 -44.3,27.8 -44.3,27 -46.1,27 -48.1,27 -48.6,26.5 -48.8,26.3 -49.5,26.3 -52,26.3
GND on L1 "L2-No Net" (solid, remove dead copper, pour order 47): -8.3,17 -8.3,19.2 -8.7,19.6 -8.8,19.7 -8.8,21 -8.8,22.4 -10.9,22.4 -11,22.3 -11.7,21.6 -12.2,21.6 -12.2,19.2 -12.2,17
GND on L1 "L2-No Net" (solid, remove dead copper, pour order 49): -52,39.6 -46.9,39.6 -46.9,38 -48.45,38 -48.45,36.55 -48.5,36.5 -48.5,34.5 -46.7,34.5 -46.7,33 -46.7,32.9 -46,32.2 -45.7,31.9 -43.4,31.9 -41.8,31.9 -41.8,33.6 -40.8,33.6 -39.9,34.5 -38,34.5 -34.5,34.5 -34.5,32.3 -35,31.8 -36.1,31.8 -38.1,31.8 -38.7,31.2 -39.5,30.4 -39.5,29.1 -39.5,28.7 -39.7,28.5 -39.9,28.3 -41.2,28.3 -41.8,28.3 -41.9,28.2 -41.9,26.7 -41.9,22.9 -39.6,22.9 -33.1,22.9 -33.1,23.9 -33.1,24.3 -32.7,24.7 -30.8,24.7 -30.8,23.6 -30.8,22.4 -31.9,22.4 -31.9,18.4 -30.8,18.4 -30.8,15.8 -42.5,15.8 -42.5,18.1 -42.5,20.1 -46.2,20.1 -46.2,23 -46.2,23.8 -44.5,23.8 -44.2,23.8 -43.9,23.8 -43.9,24.6 -43.2,25.333 -43.2,28.2 -44.1,28.2 -46,28.2 -47.7,28.2 -48.7,27.2 -49.1,26.8 -51.3,26.8 -52,26.8

## Silkscreen, mask and mechanical layers (free items; w line width, h text height)
Top Overlay:
  text "ICSP" at -48.4,66.7 h1
  text "ICSP1" at -48.8,57.2 h1
  text "3" at -53.8,48.6 h1
  text "4" at -53.8,45.8 h1
  text "10" at -13.6,39.6 h0.9 r90
  text "USER" at -31.8,18 h1 r90
Bottom Overlay:
  lines w0.254: 12.6,28.9 14.6,28.9 ; 12.6,30.9 14.6,30.9 ; 12.6,32.9 14.6,32.9 ; 12.6,34.9 14.6,34.9 ; 12.6,36.9 14.6,36.9 ; 12.6,26.9 12.6,38.9 14.6,38.9 14.6,26.9 12.6,26.9
  text "AD5/SCL" at -34.093,64.524 h2.2 r90
  text "AD4/SDA" at -31.553,64.524 h2.2 r90
  text "AREF" at -29.013,64.524 h2.2 r90
  text "GND" at -26.473,64.524 h2.2 r90
  text "12" at -21.393,64.524 h2.2 r90
  text "7" at -7.194,64.524 h2.2 r90
  text "6~" at -4.654,64.524 h2.2 r90
  text "5~" at -2.114,64.524 h2.2 r90
  text "4" at 0.426,64.524 h2.2 r90
  text "2" at 7.806,64.274 h2.2 r90
  text "1" at 10.346,64.274 h2.2 r90
  text "0" at 12.886,64.274 h2.2 r90
  text "RX (IN)" at 13.186,63.794 h2.2 r90
  text "TX (OUT)" at 12.746,62.794 h2.2 r90
  text "9~" at -8.7,62.4 h2.2 r90
  text "dW/PROG/ISP" at -40.775,61.741 h1.8 r90
  text "MODBOX" at 12.1,38.9 h1.8 r90
  text "A" at 14.1,38.4 h1.8 r90
  text "B" at 14.1,36.4 h1.8 r90
  text "C" at 14.1,34.4 h1.8 r90
  text "D" at 14.1,32.4 h1.8 r90
  text "E" at 14.1,30.4 h1.8 r90
  text "3.3V" at -33.576,29.424 h2.2 r90
  text "5V" at -35.63,28.813 h2.2 r90
  text "F" at 14.1,28.4 h1.8 r90
  text "AR/DF" at -7.523,28.058 h1.8 r90
  text "3~" at -19.834,25.274 h2.2 r90
  text "A4" at 8.771,21.504 h2.2 r90
  text "NC" at -18.8,20.5 h2.2 r180
  text "A5" at 13.496,18.634 h2.2 r90
  text "+5V INPUT POWER" at -54.4,3.8 h1.8 r90
  text "(OPTIONAL)" at -52.4,0.9 h1.8 r90
Mechanical Drawing:
  circle w1.016: c-38.36,66.2 r1.6
  circle w1.016: c13.14,22.52 r1.6
  circle w1.016: c13.44,52.86 r1.6
  lines w1.016: -53.6,68.7 15,68.7 ; -52.3,68.8 -52.3,15.5 16.28,15.5 ; 15.68,14.9 15.7,14.92 ; 16.3,15.52 16.3,68.8 ; -53.7,69.4 -53.7,69.4
Board Outline:
  lines w0.254: -53.6,68.74 14.98,68.74 ; -52.3,68.84 -52.3,15.5 16.28,15.5 16.28,68.84 ; -53.7,68.6 -53.7,68.6 ; 15.7,14.9 15.7,14.9

## Text inside footprints (layer, text, board x,y; h text height)
J1: Top Overlay "1" at -22.81,15.4 h1 r90
J2: Top Overlay "1" at -1.69,15.44 h1 r90
J3: Top Overlay "1" at 10.3,68 h1 r90
J4: Top Overlay "1" at -11.5,68 h1 r90
J5: Top Overlay "1" at -53.2,61.9 h1
J6: Top Overlay "1" at -53.4,52.3 h1
JP1: Top Overlay "1" at 16.9,63.05 h1
JP2: Top Overlay "1" at -47.1,48.6 h1
JP3: Top Overlay "1" at -41.1,59.8 h1
JP4: Top Overlay "1" at -41.4,23.7 h1